# Allegro board TDI_KU5P_QSFP28_CXP_V001-20240805_1841.brd (continued)
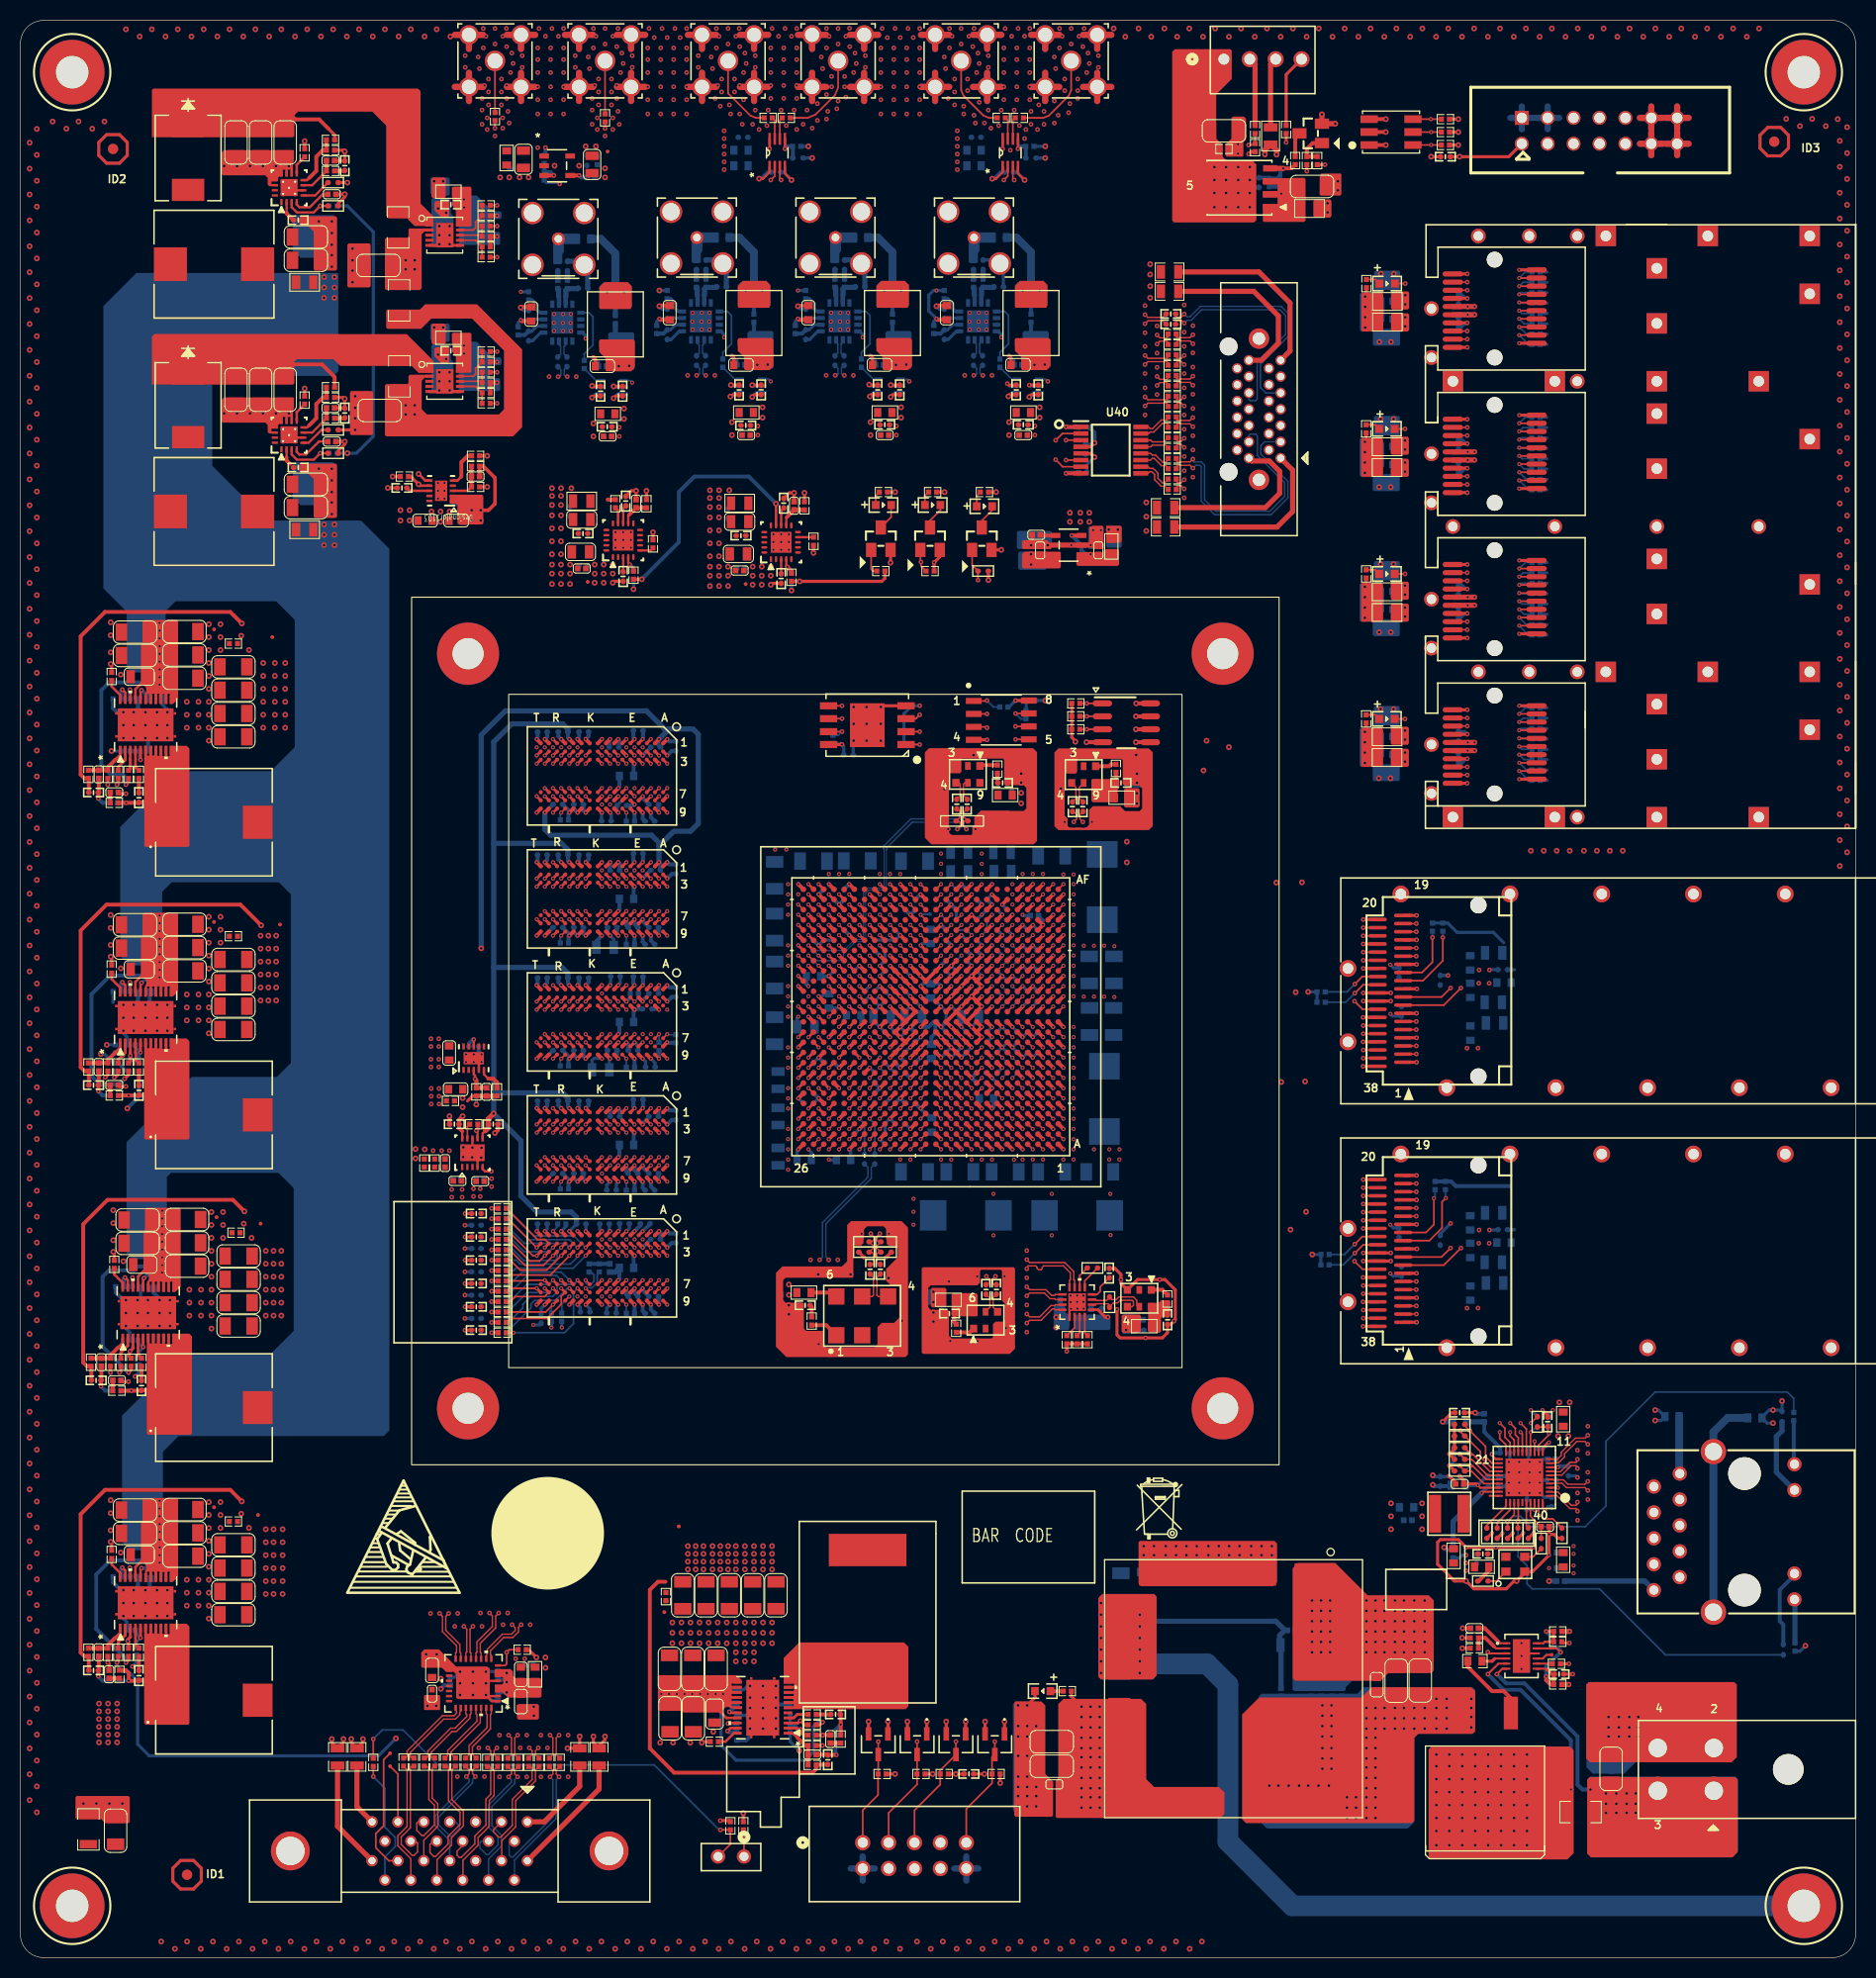
[diagram p0: board, top side]
## Routing (per net, layer and track width the routed paths; a pad name or vN(x,y) marks a point on that pad's centre or on a via; arc(x,y) is an arc through that point) (continued)
FPGA_ETH_RESET_B: length 80.5
  TOP w0.17: R169.1 v1(148.15,52.43) ; U1.J14 v1(88.29,87.27)
  ART12 w0.122: v1(148.15,52.43) 148.15,52.96 144.62,56.49 129.28,56.49 109.51,76.25 93.84,76.25 91.79,78.31 91.79,84.53 91.58,84.73 89.8,84.73 89.09,85.45 89.09,86.47 v1(88.29,87.27)
FPGA_ETH_RST_B: length 4.8
  TOP w0.17: U19.12 148.91,50.27 149.93,51.28 v1(149.93,51.41) 149.8,51.54 C315.1 149.76,52.04 R169.2
  BOTTOM w0.17: R170.1 v1(149.93,51.41)
FPGA_RGMII_MDC: length 82.4
  TOP w0.17: U1.G16 v1(86.29,85.28) ; U19.13 v1(148.51,50.63)
  ART12 w0.122: v1(148.51,50.63) 147.02,50.63 146.62,51.03 146.62,53.16 144.89,54.9 129,54.9 108.48,75.41 92.6,75.41 89.86,78.16 89.86,82.52 88.59,83.79 88.08,83.79 87.82,84.05 87.82,84.43 87.44,84.81 86.76,84.81 v1(86.29,85.28)
FPGA_RGMII_MDIO: length 82.1
  TOP w0.17: v1(148.15,51.54) 148.11,51.5 U19.14 ; U1.G15 v1(87.29,85.28)
  ART12 w0.122: v1(148.15,51.54) 147.64,52.04 147.64,52.78 145.07,55.35 129.3,55.35 108.85,75.79 92.85,75.79 90.74,77.9 90.74,83.54 90.49,83.79 89.6,83.79 88.71,84.68 88.08,84.68 87.49,85.28 v1(87.29,85.28)
  BOTTOM w0.17: v1(148.15,51.54) 148.66,52.04 R166.1
FPGA_RGMII_RX_CLK: length 84
  TOP w0.17: U1.E18 v1(84.29,83.28) ; U19.27 143.54,46.49 142.31,47.73 R180.1 v2(141.16,48.23)
  ART12 w0.122: v2(141.16,48.23) R180.1 142.56,47.73 142.84,48.01 142.84,49.81 141.57,51.08 139.89,51.08 139.21,51.77 129.83,51.77 108.4,73.2 92.88,73.2 88.71,77.37 88.71,80.49 88.46,80.75 87.95,80.75 87.7,81 87.7,81.64 87.44,81.89 85.99,81.89 85.79,82.09 85.79,82.58 85.54,82.83 85.11,82.83 84.66,83.28 v1(84.29,83.28)
FPGA_RGMII_RX_CTL: length 87.1
  TOP w0.17: U1.D21 v1(81.29,82.28) ; U19.26 143.78,46.89 142.43,48.23 v2(142.2,48.23)
  ART12 w0.122: v1(81.29,82.28) 81.34,82.28 81.85,81.76 84.39,81.76 84.78,81.38 84.78,79.98 85.03,79.73 85.66,79.73 85.79,79.6 85.79,77.8 91.79,71.81 107.53,71.81 130.5,48.84 134.05,48.84 134.18,48.97 134.18,49.31 134.3,49.43 134.54,49.43 134.66,49.31 134.66,48.97 134.79,48.84 135.03,48.84 135.15,48.97 135.15,49.31 135.27,49.43 135.52,49.43 135.64,49.31 135.64,48.97 135.76,48.84 136.01,48.84 136.13,48.97 136.13,49.31 136.25,49.43 136.49,49.43 136.61,49.31 136.61,48.97 136.74,48.84 136.98,48.84 137.1,48.97 137.1,49.31 137.22,49.43 137.47,49.43 137.59,49.31 137.59,48.97 137.71,48.84 137.96,48.84 138.08,48.97 138.08,49.31 138.2,49.43 138.44,49.43 138.57,49.31 138.57,48.97 138.69,48.84 138.93,48.84 139.05,48.97 139.05,49.31 139.17,49.43 139.42,49.43 139.54,49.31 139.54,48.97 139.66,48.84 141.59,48.84 v2(142.2,48.23)
  BOTTOM w0.17: v2(142.2,48.23) 141.69,47.73 R182.1
FPGA_RGMII_RXD0: length 80.1
  TOP w0.17: U19.25 143.91,47.29 142.33,48.87 R175.1 141.67,48.89 v2(141.17,49.39) ; U1.B16 v1(86.29,80.27)
  ART12 w0.122: v1(86.29,80.27) 86.81,79.76 86.81,77.72 92.32,72.21 107.79,72.21 130.04,49.96 130.56,49.96 130.69,50.08 130.69,50.58 130.81,50.7 131.05,50.7 131.17,50.58 131.17,50.03 131.3,49.91 131.54,49.91 131.66,50.03 131.66,50.58 131.78,50.7 132.03,50.7 132.15,50.58 132.15,50.03 132.27,49.91 132.52,49.91 132.64,50.03 132.64,50.58 132.76,50.7 133,50.7 133.12,50.58 133.12,50.03 133.25,49.91 133.49,49.91 133.61,50.03 133.61,50.58 133.73,50.7 133.98,50.7 134.1,50.58 134.1,50.08 134.22,49.96 140.6,49.96 v2(141.17,49.39)
  BOTTOM w0.17: v2(141.17,49.39) 141.67,48.89 R175.1
FPGA_RGMII_RXD1: length 87.8
  TOP w0.17: R177.1 142.18,49.5 v2(142.18,49.38) 142.43,49.38 144.12,47.69 U19.24 ; U1.E21 v1(81.29,83.28)
  ART12 w0.122: v1(81.29,83.28) 81.79,82.78 84.52,82.78 84.78,82.52 84.78,81.89 84.9,81.76 85.41,81.76 85.66,81.51 85.66,81.13 86.05,80.75 87.44,80.75 87.7,80.49 87.7,77.54 92.54,72.69 108.07,72.69 129.63,51.13 134.9,51.13 135.02,51.01 135.02,50.54 135.14,50.42 135.39,50.42 135.51,50.54 135.51,51.01 135.63,51.13 135.87,51.13 136,51.01 136,50.54 136.12,50.42 136.36,50.42 136.48,50.54 136.48,51.01 136.6,51.13 136.85,51.13 136.97,51.01 136.97,50.54 137.09,50.42 137.34,50.42 137.46,50.54 137.46,51.01 137.58,51.13 137.82,51.13 137.95,51.01 137.95,50.54 138.07,50.42 138.31,50.42 138.43,50.54 138.43,51.01 138.56,51.13 139.11,51.13 139.74,50.5 140.78,50.5 141.9,49.38 v2(142.18,49.38)
  BOTTOM w0.17: R177.1 141.67,49.89 v2(142.18,49.38)
FPGA_RGMII_RXD2: length 81.1
  TOP w0.17: U1.F18 v1(84.29,84.27) ; v2(141.24,51.69) 141.24,51.59 R179.1 143.2,49.63 143.2,49.12 144.23,48.09 U19.23
  ART12 w0.122: v2(141.24,51.69) 139.69,53.24 138.43,53.24 138.31,53.36 138.31,53.47 138.19,53.59 137.95,53.59 137.82,53.47 137.82,53.36 137.7,53.24 137.46,53.24 137.34,53.36 137.34,53.47 137.22,53.59 136.97,53.59 136.85,53.47 136.85,53.36 136.73,53.24 129.12,53.24 108.46,73.9 92.94,73.9 89.09,77.76 89.09,81.38 88.71,81.76 88.08,81.76 87.7,82.14 87.7,82.52 87.44,82.78 86.93,82.78 86.81,82.9 86.81,83.55 86.69,83.67 84.9,83.67 84.65,83.92 84.65,83.92 v1(84.29,84.27)
  BOTTOM w0.17: v2(141.24,51.69) 141.24,51.59 R179.1
FPGA_RGMII_RXD3: length 81.2
  TOP w0.17: U1.F15 v1(87.29,84.27) ; U19.22 144.34,48.49 143.7,49.12 143.7,50.14 v2(142.18,51.66) 141.67,52.17 R181.1
  ART12 w0.122: v2(142.18,51.66) 139.77,54.08 136.34,54.08 136.22,53.95 136.22,53.79 136.1,53.67 135.85,53.67 135.73,53.79 135.73,53.95 135.61,54.08 135.37,54.08 135.24,53.95 135.24,53.79 135.12,53.67 134.88,53.67 134.76,53.79 134.76,53.95 134.63,54.08 134.39,54.08 134.27,53.95 134.27,53.79 134.15,53.67 133.9,53.67 133.78,53.79 133.78,53.95 133.66,54.08 133.42,54.08 133.29,53.95 133.29,53.79 133.17,53.67 132.93,53.67 132.81,53.79 132.81,53.95 132.68,54.08 132.44,54.08 132.32,53.95 132.32,53.79 132.2,53.67 131.95,53.67 131.83,53.79 131.83,53.95 131.71,54.08 131.46,54.08 131.34,53.95 131.34,53.79 131.22,53.67 130.98,53.67 130.85,53.79 130.85,53.95 130.73,54.08 130.49,54.08 130.37,53.95 130.37,53.79 130.25,53.67 130,53.67 129.88,53.79 129.88,53.95 129.76,54.08 129.07,54.08 108.75,74.4 93.03,74.4 89.47,77.95 89.47,81.89 88.59,82.78 88.08,82.78 87.86,82.99 87.86,83.38 87.29,83.94 v1(87.29,84.27)
FPGA_RGMII_TX_CLK: length 96.7
  TOP w0.17: U19.20 145.71,50.29 145.1,50.9 v1(145.1,51.54) ; U1.H18 v1(84.29,86.28)
  ART05 w0.122: v1(145.1,51.54) 144.59,52.04 144.59,53.11 143.56,54.14 126.01,54.14 112.46,67.69 101.23,67.69 99.08,69.85 97.81,69.85 97.04,69.09 85.54,69.09 85.03,69.6 82.26,69.6 78.81,73.05 78.81,81.51 79.09,81.79 79.54,81.79 79.82,82.07 79.82,82.52 80.08,82.78 80.58,82.78 80.84,83.03 80.84,83.54 81.09,83.79 81.47,83.79 81.85,84.18 81.85,85.45 82.24,85.83 83.89,85.83 84.29,86.23 v1(84.29,86.28)
FPGA_RGMII_TX_CTL: length 95
  TOP w0.17: v1(145.1,52.43) 145.61,51.92 145.61,51.03 146.11,50.52 U19.19 ; U1.G19 v1(83.29,85.28)
  ART05 w0.122: v1(145.1,52.43) 145.1,54.55 144.98,54.68 136.22,54.68 135.99,54.91 135.74,54.91 135.5,54.68 135.25,54.68 135.01,54.91 134.76,54.91 134.52,54.68 134.27,54.68 134.04,54.91 133.79,54.91 133.55,54.68 126.44,54.68 112.72,68.4 101.39,68.4 99.35,70.43 97.6,70.43 96.76,69.6 85.79,69.6 85.28,70.1 82.59,70.1 79.82,72.87 79.82,81.59 79.99,81.76 80.59,81.76 80.71,81.88 80.71,82.27 81.09,82.65 81.42,82.65 81.85,83.08 81.85,83.54 82.11,83.79 82.62,83.79 82.74,83.92 82.74,84.72 v1(83.29,85.28)
FPGA_RGMII_TXD0: length 95.5
  TOP w0.17: v1(146.12,51.54) 146.12,51.16 146.51,50.76 U19.18 ; U1.H17 v1(85.29,86.28)
  ART05 w0.122: v1(146.12,51.54) 146.12,51.56 145.58,52.1 145.58,55.25 145.46,55.37 144.42,55.37 144.3,55.25 144.3,55.24 144.17,55.12 143.93,55.12 143.81,55.24 143.81,55.25 143.69,55.37 143.44,55.37 143.32,55.25 143.32,55.24 143.2,55.12 142.96,55.12 142.83,55.24 142.83,55.25 142.71,55.37 142.47,55.37 142.35,55.25 142.35,55.24 142.22,55.12 141.98,55.12 141.86,55.24 141.86,55.25 141.74,55.37 141.49,55.37 141.37,55.25 141.37,55.24 141.25,55.12 141,55.12 140.88,55.24 140.88,55.25 140.76,55.37 140.52,55.37 140.39,55.25 140.39,55.24 140.27,55.12 140.03,55.12 139.91,55.24 139.91,55.25 139.79,55.37 139.54,55.37 139.42,55.25 139.42,55.24 139.3,55.12 139.05,55.12 138.93,55.24 138.93,55.25 138.81,55.37 138.57,55.37 138.44,55.25 138.44,55.24 138.32,55.12 138.08,55.12 137.96,55.24 137.96,55.25 137.83,55.37 137.59,55.37 137.47,55.25 137.47,55.24 137.35,55.12 137.1,55.12 136.98,55.24 136.98,55.25 136.86,55.37 126.7,55.37 112.78,69.29 101.23,69.29 99.63,70.89 97.3,70.89 96.59,70.18 87.16,70.18 80.71,76.63 80.71,81.36 81.04,81.69 81.57,81.69 81.9,82.02 81.9,82.58 82.13,82.8 82.67,82.8 82.87,83.01 82.87,83.54 83.12,83.79 83.63,83.79 83.76,83.92 83.76,84.43 84.01,84.68 84.27,84.68 84.9,85.32 84.9,85.83 85.29,86.22 v1(85.29,86.28)
FPGA_RGMII_TXD1: length 96
  TOP w0.17: U19.17 146.91,50.99 146.62,51.28 146.62,51.92 v1(146.12,52.43) ; U1.G17 v1(85.29,85.28)
  ART05 w0.122: v1(85.29,85.28) 85.29,85.07 84.9,84.68 84.9,84.18 84.52,83.79 84.14,83.79 83.81,83.46 83.81,83.01 83.56,82.75 83.1,82.75 82.74,82.4 82.74,81.94 82.64,81.84 82.24,81.84 81.85,81.46 81.85,76.05 87.29,70.61 91.66,70.61 92.4,71.35 99.85,71.35 101.01,70.19 112.74,70.19 127.13,55.8 128.33,55.8 128.45,55.93 128.45,56.24 128.57,56.36 128.82,56.36 128.94,56.24 128.94,55.93 129.06,55.8 129.3,55.8 129.43,55.93 129.43,56.24 129.55,56.36 129.79,56.36 129.91,56.24 129.91,55.93 130.04,55.8 130.28,55.8 130.4,55.93 130.4,56.24 130.52,56.36 130.77,56.36 130.89,56.24 130.89,55.93 131.01,55.8 131.26,55.8 131.38,55.93 131.38,56.24 131.5,56.36 131.74,56.36 131.86,56.24 131.86,55.93 131.99,55.8 132.23,55.8 132.35,55.93 132.35,56.24 132.47,56.36 132.72,56.36 132.84,56.24 132.84,55.93 132.96,55.8 145.99,55.8 146.12,55.68 v1(146.12,52.43)
FPGA_RGMII_TXD2: length 95.3
  TOP w0.17: U19.16 147.31,51.36 v1(147.13,51.54) ; U1.D18 v1(84.29,82.28)
  ART05 w0.122: v1(84.29,82.28) 83.92,82.28 83.38,81.74 83.1,81.74 82.74,81.38 82.74,75.79 87.35,71.18 91.6,71.18 92.17,71.75 112.04,71.75 127,56.79 133.31,56.79 133.43,56.67 133.43,56.36 133.55,56.24 133.79,56.24 133.92,56.36 133.92,56.67 134.04,56.79 134.28,56.79 134.4,56.67 134.4,56.36 134.53,56.24 134.77,56.24 134.89,56.36 134.89,56.67 135.01,56.79 135.26,56.79 135.38,56.67 135.38,56.36 135.5,56.24 135.74,56.24 135.87,56.36 135.87,56.67 135.99,56.79 136.23,56.79 136.35,56.67 136.35,56.36 136.48,56.24 136.72,56.24 136.84,56.36 136.84,56.67 136.96,56.79 137.21,56.79 137.33,56.67 137.33,56.36 137.45,56.24 137.7,56.24 137.82,56.36 137.82,56.67 137.94,56.79 138.18,56.79 138.3,56.67 138.3,56.36 138.43,56.24 138.67,56.24 138.79,56.36 138.79,56.67 138.91,56.79 139.16,56.79 139.28,56.67 139.28,56.36 139.4,56.24 139.65,56.24 139.77,56.36 139.77,56.67 139.89,56.79 140.13,56.79 140.26,56.67 140.26,56.36 140.38,56.24 140.62,56.24 140.74,56.36 140.74,56.67 140.87,56.79 141.11,56.79 141.23,56.67 141.23,56.36 141.35,56.24 141.6,56.24 141.72,56.36 141.72,56.67 141.84,56.79 142.08,56.79 142.21,56.67 142.21,56.36 142.33,56.24 146.53,56.24 146.65,56.11 146.65,52.02 v1(147.13,51.54)
FPGA_RGMII_TXD3: length 95.5
  TOP w0.17: U19.15 147.71,51.84 v1(147.13,52.43) ; U1.H16 v1(86.29,86.28)
  ART05 w0.122: v1(147.13,52.43) 147.13,57.1 146.95,57.28 146.48,57.28 146.36,57.16 146.36,56.81 146.21,56.67 146,56.67 145.87,56.79 145.87,57.16 145.75,57.28 145.51,57.28 145.39,57.16 145.39,56.81 145.24,56.67 145.02,56.67 144.9,56.79 144.9,57.16 144.78,57.28 144.53,57.28 144.41,57.16 144.41,56.81 144.26,56.67 144.04,56.67 143.92,56.79 143.92,57.16 143.8,57.28 143.56,57.28 143.44,57.16 143.44,56.81 143.29,56.67 143.07,56.67 142.95,56.79 142.95,57.16 142.83,57.28 127.28,57.28 112.11,72.44 87.11,72.44 83.89,75.67 83.89,81.64 84.01,81.76 84.65,81.76 84.78,81.89 84.78,83.54 85.03,83.79 85.54,83.79 85.79,84.05 85.79,86.03 86.04,86.28 v1(86.29,86.28)
FPGA_TIMING_LVDS_EN: length 80.5
  TOP w0.17: U1.H14 v1(88.29,86.28) ; R367.2 47.95,30.2 v2(47.69,29.95) 47.69,28.8 47.54,28.65 U43.8
  ART03 w0.122: v2(47.69,29.95) 49.72,29.95 51.5,31.72 51.5,35.61 77.96,62.06 77.96,64.68 81.55,68.28 81.55,71.22 83.91,73.58 83.91,85.6 84.13,85.83 87.7,85.83 88.15,86.28 v1(88.29,86.28)
HARD_ID_GPIO1: length 121.1
  TOP w0.17: J22.6 v1(138.37,177.78) 139.01,177.78 139.01,177.77 R779.2 ; U1.J11 v1(92.3,87.27)
  ART03 w0.122: v1(138.37,177.78) 137.66,177.07 137.66,174.5 125.85,162.69 125.85,143.85 112.33,130.33 112.33,97.28 107.28,92.23 93.59,92.23 92.9,91.54 92.9,90.02 92.66,89.78 92.66,88.12 92.65,88.11 92.65,87.62 v1(92.3,87.27)
HARD_ID_GPIO2: length 124
  TOP w0.17: J22.5 v1(138.37,179.05) 139.36,179.05 R780.2 ; U1.H11 v1(92.3,86.28)
  ART03 w0.122: v1(92.3,86.28) 92.2,86.28 91.94,86.54 91.94,87.12 91.93,87.12 91.93,91.43 91.94,91.43 91.94,91.62 92.95,92.63 107.19,92.63 111.95,97.4 111.95,130.53 125.4,143.97 125.4,163 137.2,174.8 137.2,177.88 v1(138.37,179.05)
HARD_ID_GPIO3: length 124.5
  TOP w0.17: U1.J12 v1(91.3,87.27) ; J22.4 v1(138.35,180.32) 139.36,180.32 R781.2
  ART03 w0.122: v1(91.3,87.27) 91.71,87.68 91.71,91.9 92.75,92.94 92.75,93.55 92.98,93.78 107.51,93.78 111.57,97.85 111.57,130.66 125.01,144.09 125.01,163.49 136.83,175.31 136.83,178.79 v1(138.35,180.32)
INPUT_GND: length 4.8
  TOP w0.203: v2(147.23,29.58) 147.48,29.83 U33.10
  TOP w0.305: R291.1 v3(141.41,31.36) ; C478.2 v2(152.26,27.8) ; R292.2 151.32,30.85 v2(151.93,30.85) ; C479.2 v3(141.47,32.31)
  vias: v2(147.23,30.85) v2(147.23,28.31) v3(126.69,35.03) v3(126.69,34.01) v3(126.69,32.99) v3(126.69,31.98) v3(126.69,30.96) v3(126.69,29.95) v3(127.57,35.03) v3(127.57,34.01) v3(127.57,32.99) v3(127.57,31.98) v3(127.57,30.96) v3(127.57,29.95) v3(128.46,35.03) v3(128.46,34.01) v3(128.46,32.99) v3(128.46,31.98) v3(128.46,30.96) v3(128.46,29.95) v3(132.02,35.03) v3(132.02,34.01) v3(132.02,32.99) v3(132.02,31.98) v3(132.02,30.96) v3(132.02,29.95) v3(132.91,35.03) v3(132.91,34.01) v3(132.91,32.99) v3(132.91,31.98) v3(132.91,30.96) v3(132.91,29.95) v3(133.8,35.03) v3(133.8,34.01) v3(133.8,32.99) v3(133.8,31.98) v3(133.8,30.96) v3(133.8,29.95) v3(134.81,35.03) v3(134.81,34.01) v3(134.81,32.99) v3(134.81,31.98) v3(134.81,30.96) v3(134.81,29.95) v3(135.7,35.03) v3(135.7,34.01) v3(135.7,32.99) v3(135.7,31.98) v3(135.7,30.96) v3(135.7,29.95) v3(136.72,35.03) v3(136.72,34.01) v3(136.72,32.99) v3(136.72,31.98) v3(136.72,30.96) v3(136.72,29.95) v3(137.73,35.03) v3(137.73,34.01) v3(137.73,32.99) v3(137.73,31.98) v3(137.73,30.96) v3(137.73,29.95) v3(155.77,23.6) v3(155.77,22.58) v3(155.77,21.69) v3(156.78,23.6) v3(156.78,22.58) v3(156.78,21.69) v3(157.8,23.6) v3(157.8,22.58) v3(157.8,21.69) v3(158.69,23.6) v3(158.69,22.58) v3(158.69,21.69)
LAN_MDI0_N: length 18.3
  TOP w0.14: v2(152.72,44.68) 152.72,44.5 152.59,44.37 152.11,44.37 150.82,45.66 150.35,45.66 150.31,45.69 U19.2
  ART12 w0.114: J12.3 161.04,38.58 161.5,38.12 161.5,37.96 161.05,37.52 158.56,37.52 155.44,40.64 155.44,42.62 153.67,44.39 153.01,44.39 v2(152.72,44.68)
LAN_MDI0_P: length 18.2
  TOP w0.14: U19.1 150.36,45.29 150.4,45.33 150.69,45.33 151.97,44.04 152.59,44.04 152.72,43.91 v2(152.72,43.79)
  ART12 w0.114: v2(152.72,43.79) 153.01,44.08 153.54,44.08 155.13,42.49 155.13,40.51 158.43,37.21 161.18,37.21 161.92,37.95 162.12,37.95 J12.2
LAN_MDI1_N: length 19.9
  TOP w0.14: v2(153.74,46.71) 153.46,46.43 151.76,46.43 151.34,46.86 150.37,46.86 150.33,46.89 U19.5
  ART10 w0.114: v2(153.74,46.71) 153.74,46.53 153.85,46.42 155.15,46.42 156.05,45.52 156.05,43.31 159.32,40.03 160.77,40.03 161.64,40.89 161.64,41.73 160.21,43.15 J12.7
LAN_MDI1_P: length 19.9
  TOP w0.14: v2(153.74,45.82) 153.46,46.1 151.63,46.1 151.2,46.53 150.38,46.53 150.34,46.49 U19.4
  ART10 w0.114: J12.4 163.4,40.5 163.4,40.93 163.29,41.05 162.22,41.05 160.9,39.73 159.2,39.73 155.74,43.18 155.74,45.39 155.02,46.11 153.85,46.11 153.74,46 v2(153.74,45.82)
LAN_MDI2_N: length 17.5
  TOP w0.14: v2(152.72,48.87) 152.72,48.71 152.59,48.58 151.96,48.58 151.04,47.66 150.43,47.66 150.39,47.69 U19.7
  ART12 w0.114: v2(152.72,48.87) 153.01,48.58 154.84,48.58 158.03,45.39 158.03,44.12 159.63,42.52 160.9,42.52 161.81,41.61 161.97,41.61 J12.6
LAN_MDI2_P: length 17.5
  TOP w0.14: U19.6 150.41,47.29 150.44,47.33 151.18,47.33 152.1,48.25 152.59,48.25 152.72,48.12 v2(152.72,47.98)
  ART12 w0.114: v2(152.72,47.98) 153.01,48.27 154.72,48.27 157.72,45.26 157.72,43.99 159.5,42.21 160.77,42.21 161.46,41.52 161.46,41.24 161.12,40.89 160.44,40.89 J12.5
LAN_MDI3_N: length 18
  TOP w0.14: U19.10 150.41,48.89 150.45,48.86 150.74,48.86 151.12,49.24 151.12,49.56 152.51,50.95 153.46,50.95 v2(153.74,51.23)
  ART10 w0.114: J12.9 161.05,46.2 161.5,45.75 161.5,45.51 161.1,45.11 158.94,45.11 158.1,45.95 158.1,47.22 154.39,50.94 153.85,50.94 153.74,51.05 v2(153.74,51.23)
LAN_MDI3_P: length 17.9
  TOP w0.14: U19.9 150.41,48.49 150.45,48.53 150.87,48.53 151.45,49.1 151.45,49.42 152.65,50.62 153.46,50.62 v2(153.74,50.34)
  ART10 w0.114: J12.8 162.14,45.55 161.97,45.55 161.23,44.81 158.82,44.81 157.8,45.82 157.8,47.09 154.26,50.63 153.85,50.63 153.74,50.52 v2(153.74,50.34)
RF_FPS_TRIGGER_N: length 69.4
  TOP w0.14: v2(46.01,33.8) 46.29,33.52 46.29,32.49 44.78,30.97 44.78,29.96 44.69,29.88 U43.12
  TOP w0.17: U1.A23 v1(79.29,79.28)
  ART12 w0.114: v2(46.01,33.8) 46.3,34.09 46.3,35.82 46.19,35.93 45.19,35.93 44.9,36.23 44.9,36.94 45.19,37.23 46.19,37.23 46.3,37.35 46.3,38.47 69.86,62.02 69.86,70.41 74.03,74.58 76.27,74.58 79.77,78.08 79.77,79.03 79.53,79.28 v1(79.29,79.28)
RF_FPS_TRIGGER_N_C: length 12.9
  TOP w0.14: R377.1 41.86,18.78 41.99,18.65 41.99,15.37 43.12,14.24 43.12,13.06 41.95,11.89 41.95,11.16 40.72,9.93 40.54,9.93 40.17,10.3 40.17,11.1 40.49,11.42 J21.8
RF_FPS_TRIGGER_P: length 69.3
  TOP w0.14: v2(46.9,33.8) 46.62,33.52 46.62,32.35 45.1,30.83 45.1,29.96 45.19,29.88 U43.11
  TOP w0.17: U1.A22 v1(80.29,79.28)
  ART12 w0.114: v2(46.9,33.8) 46.73,33.8 46.61,33.91 46.61,35.95 46.32,36.24 45.32,36.24 45.2,36.36 45.2,36.81 45.32,36.93 46.32,36.93 46.61,37.22 46.61,38.34 70.17,61.9 70.17,70.28 74.16,74.27 76.39,74.27 80.08,77.95 80.08,79.16 80.19,79.28 v1(80.29,79.28)
RF_FPS_TRIGGER_P_C: length 12.9
  TOP w0.14: R375.1 42.32,18.43 42.32,15.51 43.45,14.38 43.45,12.92 42.28,11.75 42.28,11.02 40.87,9.61 40.87,7.63 J21.21
RF_MOD_IN_FIXED_N: length 70.8
  TOP w0.14: v2(43.5,32.49) 43.78,32.21 43.78,29.96 43.69,29.88 U43.14
  TOP w0.17: U1.B24 v1(78.29,81.28)
  ART12 w0.102: v1(78.29,81.28) 78.59,81.28 78.69,81.18 78.69,81.03 78.69,78.33 78.3,77.93 78.23,77.93 78.21,77.92
  ART12 w0.114: v2(43.5,32.49) 43.79,32.78 43.79,35.11 43.67,35.22 43.03,35.22 42.74,35.51 42.74,36.23 43.03,36.52 43.67,36.52 43.79,36.64 43.79,37.48 68.57,62.26 68.57,70.69 73.55,75.67 75.96,75.67 78.21,77.92
RF_MOD_IN_FIXED_N_C: length 10.1
  TOP w0.14: R379.1 39.83,18.78 40.06,18.54 40.06,15.51 40.6,14.96 40.6,13 39.57,11.97 39.39,11.97 38.88,12.48 38.88,13.18 39.02,13.32 J21.9
RF_MOD_IN_FIXED_P: length 70.9
  TOP w0.14: v2(44.39,32.49) 44.1,32.21 44.1,29.96 44.19,29.88 U43.13
  TOP w0.17: U1.C23 v1(79.29,81.27)
  ART12 w0.102: v1(79.29,81.27) 79,81.28 78.89,81.18 78.89,81.03 78.89,78.24 78.44,77.79 78.44,77.72 78.43,77.7
  ART12 w0.114: v2(44.39,32.49) 44.21,32.49 44.09,32.6 44.09,35.23 43.8,35.53 43.16,35.53 43.05,35.64 43.05,36.1 43.16,36.21 43.8,36.21 44.09,36.51 44.09,37.35 68.87,62.13 68.87,70.56 73.67,75.36 76.09,75.36 78.43,77.7
RF_MOD_IN_FIXED_P_C: length 10.2
  TOP w0.14: J21.22 39.57,11.5 40.93,12.87 40.93,15.1 40.39,15.64 40.39,18.53 R378.1
RF_MOD_IN_VARIABLE_N: length 69.3
  TOP w0.14: U43.16 42.69,29.88 42.78,29.96 42.78,30.59 41.39,31.97 41.39,33.48 v2(41.11,33.76) ; U1.A25 77.8,79.78 v1(78.29,80.28)
  ART12 w0.102: v1(78.29,80.28) 78.29,79.98 78.19,79.88 78.12,79.88 77.97,79.88 77.71,79.63 77.71,78.95 77.56,78.8 77.49,78.8 77.47,78.78
  ART12 w0.114: v2(41.11,33.76) 41.3,33.95 41.3,36.82 67.12,62.64 67.12,70.74 73.07,76.68 75.37,76.68 77.47,78.78
RF_MOD_IN_VARIABLE_N_C: length 12.2
  TOP w0.14: J21.23 38.3,9.69 37.03,10.96 37.03,11.97 37.93,12.87 37.93,18.43 R383.1
RF_MOD_IN_VARIABLE_P: length 69.2
  TOP w0.14: U1.A24 78.8,79.77 v1(78.3,79.28) ; U43.15 43.19,29.88 43.1,29.96 43.1,30.72 41.72,32.11 41.72,33.48 v2(42,33.76)
  ART12 w0.102: v1(78.3,79.28) 78.3,79.58 78.19,79.68 78.05,79.68 77.92,79.54 77.92,78.86 77.71,78.65 77.71,78.58 77.69,78.56
  ART12 w0.114: v2(42,33.76) 41.72,33.76 41.61,33.87 41.61,36.69 67.43,62.51 67.43,70.61 73.19,76.38 75.5,76.38 77.69,78.56
RF_MOD_IN_VARIABLE_P_C: length 12.1
  TOP w0.14: J21.10 38.77,11.42 38.95,11.24 38.95,10.38 38.61,10.03 38.42,10.03 37.35,11.1 37.35,11.84 38.25,12.74 38.25,18.65 38.38,18.78 R381.1
RF_SYNC_N: length 77.7
  TOP w0.14: v2(47.88,21.82) 48.16,21.54 48.16,19.9 R376.1
  TOP w0.17: U1.A20 v1(82.29,79.28)
  ART12 w0.114: v2(47.88,21.82) 48.13,21.82 48.25,21.93 48.25,24.08 49.92,25.76 52.01,25.76 53.1,26.85 53.1,39.73 73.29,59.92 73.29,68.81 75.88,71.4 77.54,71.4 82.64,76.5 82.64,79.16 82.53,79.28 v1(82.29,79.28)
RF_SYNC_P: length 77.5
  TOP w0.14: R374.1 48.49,19.9 48.49,21.54 v2(48.77,21.82)
  TOP w0.17: U1.A19 v1(83.29,79.28)
  ART12 w0.114: v1(83.29,79.28) 83.06,79.28 82.95,79.16 82.95,76.38 77.67,71.09 76.01,71.09 73.6,68.68 73.6,59.79 53.41,39.6 53.41,26.72 52.14,25.45 50.05,25.45 48.56,23.95 48.56,22.03 v2(48.77,21.82)
TIMING_SPI_CLK_N: length 72.5
  TOP w0.14: U43.10 45.69,29.67 45.78,29.76 45.78,30.22 47.28,31.72 48.17,31.72 48.53,32.08 48.53,32.35 v2(48.23,32.65)
  TOP w0.17: U1.B22 v1(80.29,80.27)
  ART12 w0.102: 80.63,78.88 80.63,78.9 80.64,78.89 80.68,78.93 80.68,80.53 80.54,80.67 80.4,80.67 80.29,80.57 v1(80.29,80.27)
  ART12 w0.114: 80.63,78.88 80.63,77.57 76.44,73.38 74.31,73.38 70.95,70.03 70.95,61.27 48.52,38.83 48.52,37.95 48.81,37.66 49.45,37.66 49.57,37.54 49.57,37.08 49.45,36.97 48.81,36.97 48.52,36.68 48.52,35.96 48.81,35.67 49.45,35.67 49.57,35.55 49.57,35.1 49.45,34.98 48.81,34.98 48.52,34.69 48.52,32.94 v2(48.23,32.65)
TIMING_SPI_CLK_N_C: length 11.6
  TOP w0.14: v2(43.74,17.75) 44.02,18.04 44.02,18.43 R373.1
  BOTTOM w0.14: v2(43.74,17.75) 44.02,17.47 44.02,17.26 40.71,13.94 40.71,12.89 42.11,11.48 J21.20
TIMING_SPI_CLK_P: length 72.8
  TOP w0.14: v2(49.12,32.65) 48.86,32.39 48.86,31.94 48.31,31.4 47.41,31.4 46.1,30.09 46.1,29.71 46.19,29.62 U43.9
  TOP w0.17: U1.C22 v1(80.29,81.27)
  ART12 w0.102: v1(80.29,81.27) 80.29,80.98 80.4,80.88 80.62,80.88 80.89,80.61 80.89,78.95 80.94,78.9 80.94,78.88
  ART12 w0.114: v2(49.12,32.65) 48.83,32.94 48.83,34.56 48.94,34.68 49.58,34.68 49.88,34.97 49.88,35.68 49.58,35.98 48.94,35.98 48.83,36.09 48.83,36.55 48.94,36.66 49.58,36.66 49.88,36.96 49.88,37.67 49.58,37.96 48.94,37.96 48.83,38.08 48.83,38.7 71.26,61.14 71.26,69.9 74.43,73.07 76.57,73.07 80.94,77.44 80.94,78.88
TIMING_SPI_CLK_P_C: length 11.7
  TOP w0.14: v2(44.63,17.75) 44.35,18.04 44.35,18.43 R371.1
  BOTTOM w0.14: J21.7 42.66,13.32 43.04,12.94 43.04,12.64 42.32,11.92 42.14,11.92 41.03,13.02 41.03,13.81 44.35,17.12 44.35,17.47 v2(44.63,17.75)
TIMING_SPI_CSN_N: length 85.2
  TOP w0.14: v2(49.91,20.57) 50.19,20.29 50.19,19.9 R372.1
  TOP w0.17: U1.B20 v1(82.29,80.27)
  ART12 w0.102: v1(82.29,80.27) 82.59,80.27 82.69,80.17 82.69,79.94 82.98,79.65 83.45,79.65 83.66,79.44 83.66,78.89 83.61,78.84 83.61,78.82
  ART12 w0.114: v2(49.91,20.57) 50.2,20.86 50.2,22.1 55.31,27.21 55.31,29.87 55.2,29.98 54.61,29.98 54.32,30.27 54.32,30.99 54.61,31.28 55.2,31.28 55.31,31.4 55.31,31.85 55.2,31.97 54.61,31.97 54.32,32.26 54.32,32.97 54.61,33.27 55.2,33.27 55.31,33.38 55.31,33.84 55.2,33.95 54.61,33.95 54.32,34.25 54.32,34.96 54.61,35.25 55.2,35.25 55.31,35.37 55.31,35.82 55.2,35.94 54.61,35.94 54.32,36.23 54.32,36.95 54.61,37.24 55.2,37.24 55.31,37.35 55.31,37.81 55.2,37.93 54.61,37.93 54.32,38.22 54.32,38.93 54.61,39.23 55.2,39.23 55.31,39.34 55.31,39.98 74.26,58.93 74.26,68.2 76.45,70.39 78.17,70.39 83.61,75.82 83.61,78.82
TIMING_SPI_CSN_P: length 85.2
  TOP w0.14: v2(50.8,20.57) 50.52,20.29 50.52,19.9 R370.1
  TOP w0.17: U1.B19 v1(83.29,80.27)
  ART12 w0.102: 83.91,78.82 83.91,78.84 83.86,78.89 83.86,79.53 83.53,79.86 83.07,79.86 82.9,80.03 82.9,80.17 83,80.27 v1(83.29,80.27)
  ART12 w0.114: v2(50.8,20.57) 50.51,20.86 50.51,21.97 55.62,27.08 55.62,29.99 55.32,30.29 54.74,30.29 54.63,30.4 54.63,30.86 54.74,30.97 55.32,30.97 55.62,31.27 55.62,31.98 55.32,32.27 54.74,32.27 54.63,32.39 54.63,32.85 54.74,32.96 55.32,32.96 55.62,33.25 55.62,33.97 55.32,34.26 54.74,34.26 54.63,34.37 54.63,34.83 54.74,34.95 55.32,34.95 55.62,35.24 55.62,35.95 55.32,36.25 54.74,36.25 54.63,36.36 54.63,36.82 54.74,36.93 55.32,36.93 55.62,37.23 55.62,37.94 55.32,38.23 54.74,38.23 54.63,38.35 54.63,38.8 54.74,38.92 55.32,38.92 55.62,39.21 55.62,39.85 74.57,58.8 74.57,68.07 76.57,70.08 78.3,70.08 83.91,75.69 83.91,78.82
TIMING_SPI_MISO_N: length 84.8
  TOP w0.14: R382.1 46.13,19.9 46.13,20.29 v2(45.85,20.57)
  TOP w0.17: U1.B21 v1(81.29,80.27)
  ART12 w0.102: v1(81.29,80.27) 81.29,80.57 81.39,80.67 81.54,80.67 81.7,80.51 81.7,78.84 81.65,78.79 81.65,78.77
  ART12 w0.114: 81.65,78.77 81.65,77.09 76.92,72.36 75.12,72.36 72.07,69.31 72.07,60.35 52.08,40.36 52.08,36.21 51.97,36.09 51.39,36.09 51.09,35.8 51.09,35.09 51.39,34.79 51.97,34.79 52.08,34.68 52.08,34.22 51.97,34.11 51.39,34.11 51.09,33.81 51.09,33.1 51.39,32.81 51.97,32.81 52.08,32.69 52.08,32.24 51.97,32.12 51.39,32.12 51.09,31.83 51.09,31.11 51.39,30.82 51.97,30.82 52.08,30.71 52.08,27.41 51.63,26.95 49.47,26.95 46.14,23.62 46.14,21.88 46.03,21.77 45.95,21.77 45.84,21.66 45.84,21.43 45.95,21.31 46.03,21.31 46.14,21.2 46.14,20.69 46.03,20.57 v2(45.85,20.57)